# Altium PCB pi4.PcbDoc (part 1 of 4) (continued)
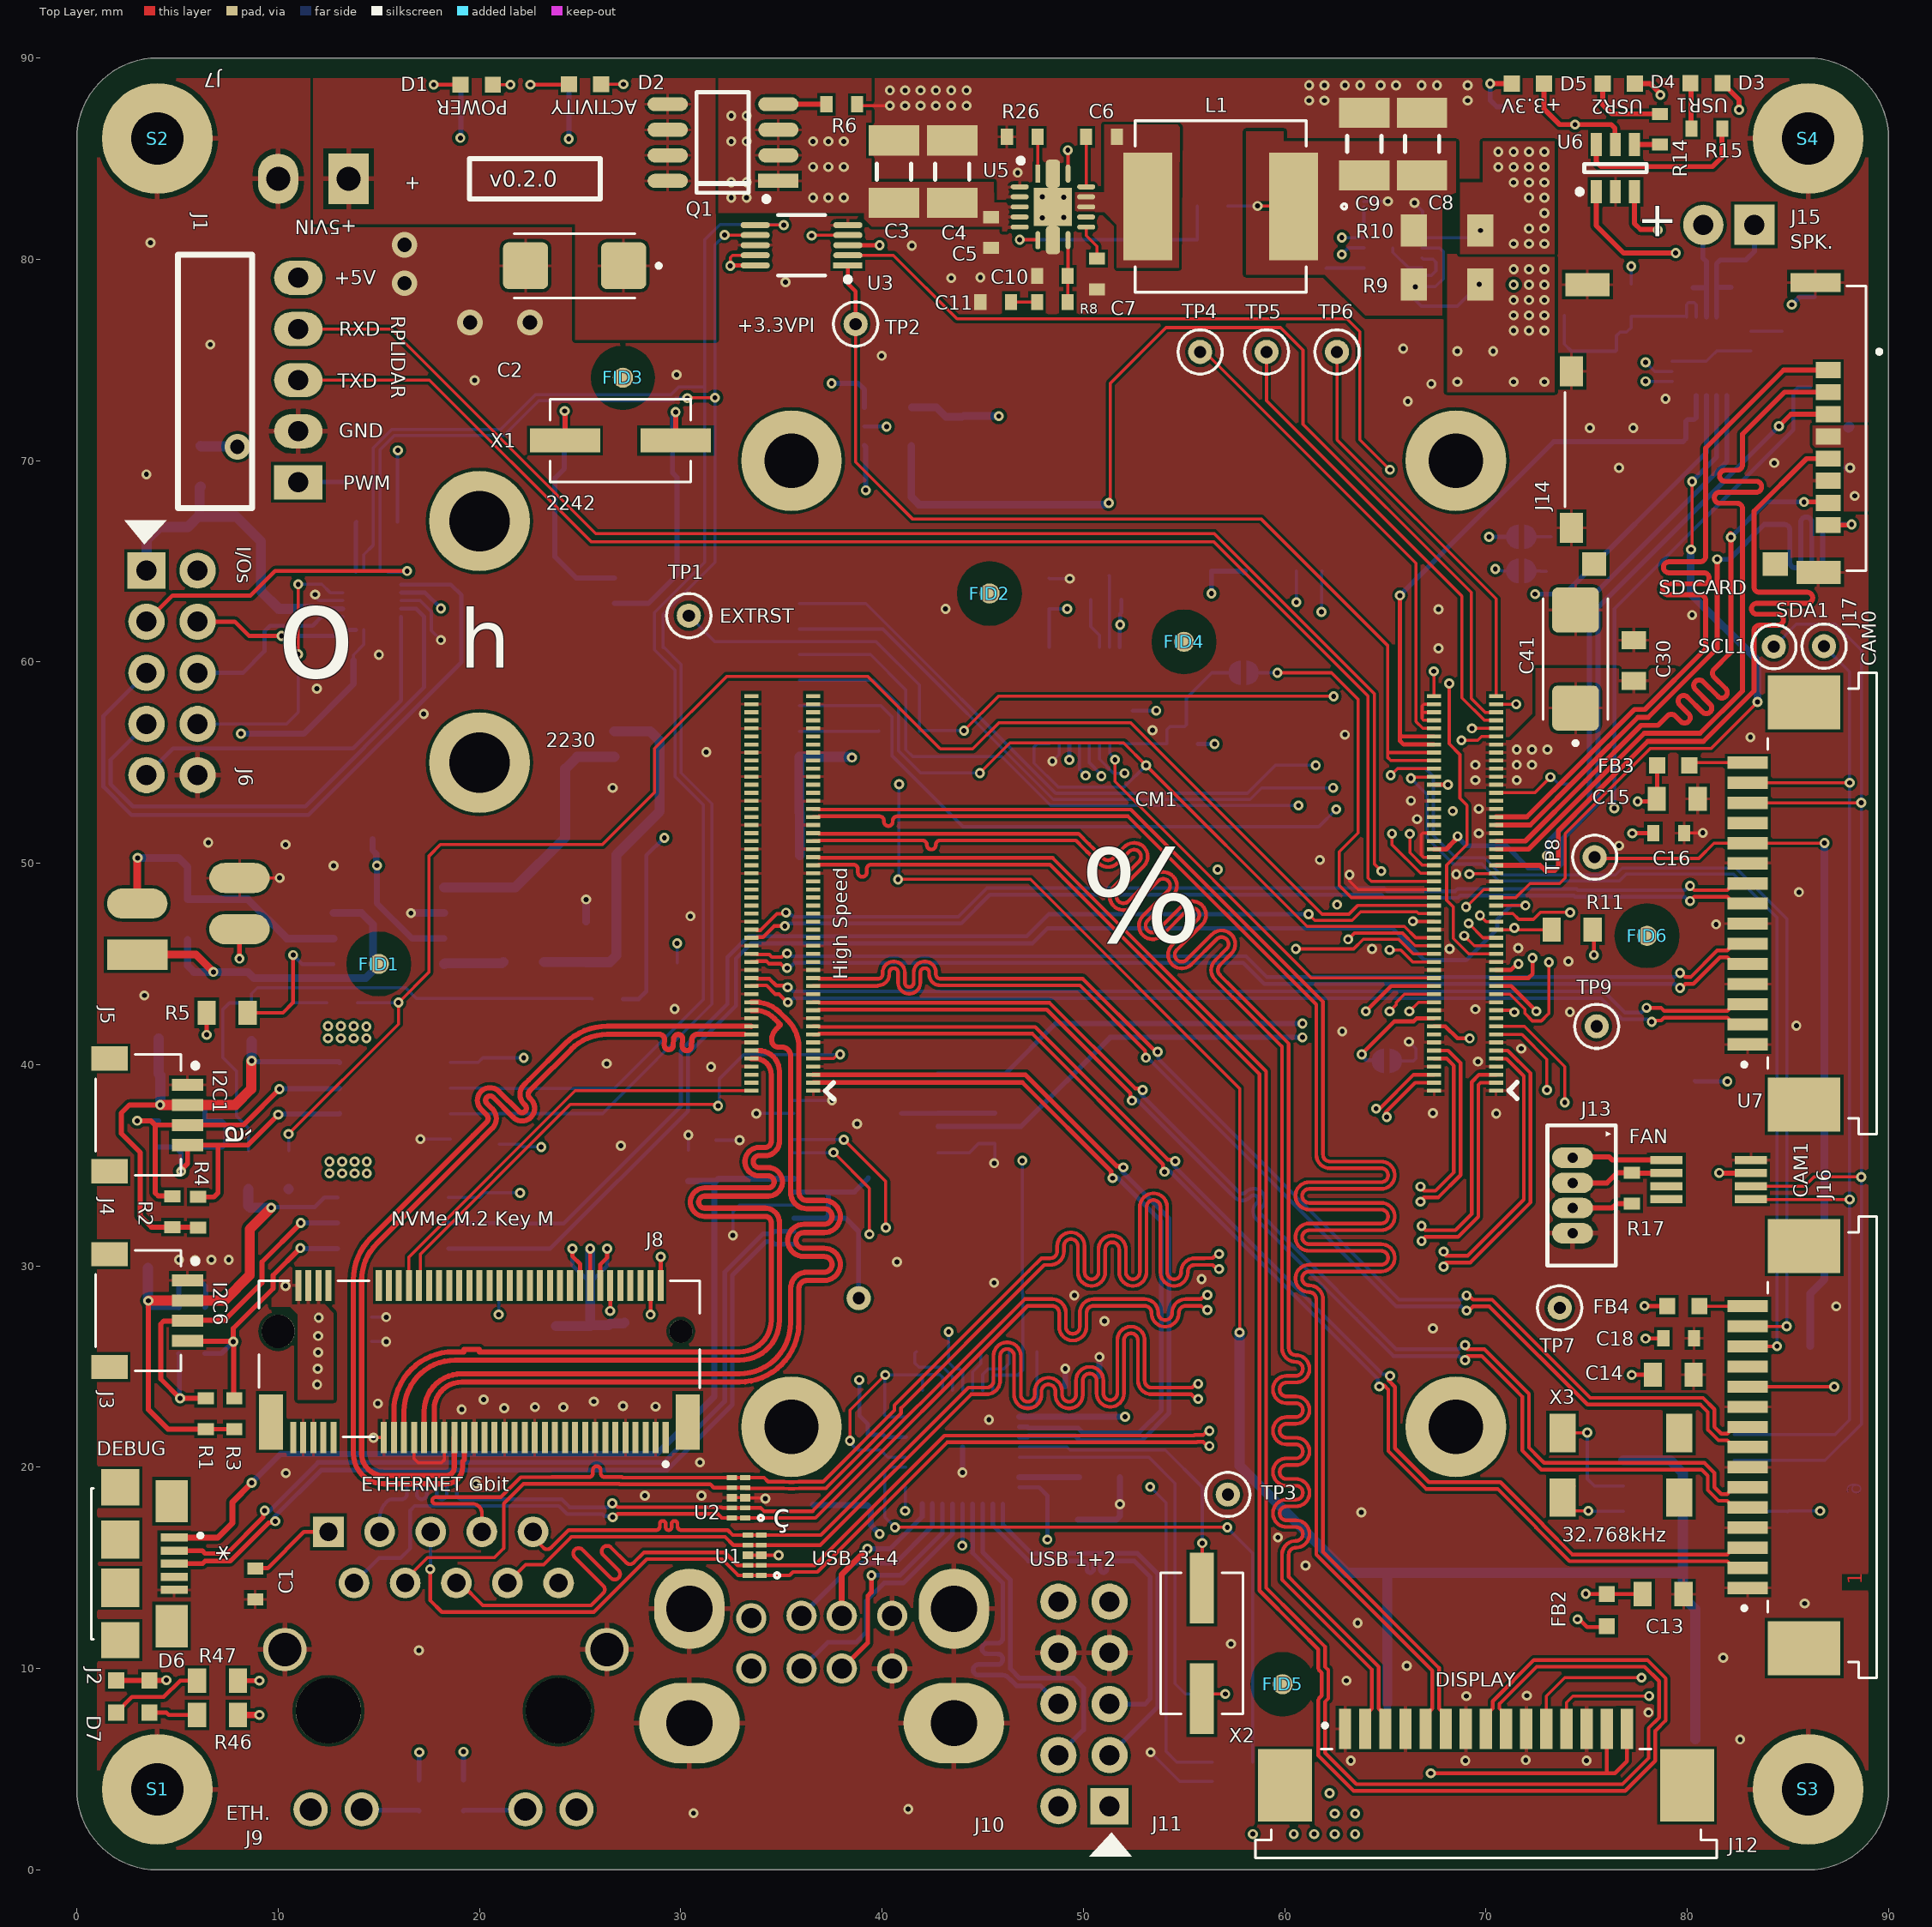
[diagram p0: Top Layer view]
## Design rules (kind name [scope] priority, off if disabled: settings) (continued)
PolygonConnect "Schematic Polygon Connect Style" [InNet('VDD-SDCARD')] p6: connectstyle=Direct reliefconductorwidth=0.254 reliefentries=4 polygonreliefangle="45 Angle" airgapwidth=0.254
PolygonConnect Battery [HasFootprint('BAT_BK-916-TR')] p7: connectstyle=Direct reliefconductorwidth=0.254 reliefentries=4 polygonreliefangle="90 Angle" airgapwidth=0.254
PolygonConnect "Schematic Polygon Connect Style_12" [InComponent('R9')] p8: connectstyle=Direct reliefconductorwidth=0.254 reliefentries=4 polygonreliefangle="45 Angle" airgapwidth=0.254
PolygonConnect "Schematic Polygon Connect Style_11" [InComponent('R10')] p9: connectstyle=Direct reliefconductorwidth=0.254 reliefentries=4 polygonreliefangle="45 Angle" airgapwidth=0.254
PolygonConnect "Schematic Polygon Connect Style_7" [InComponent('C9')] p10: connectstyle=Direct reliefconductorwidth=0.254 reliefentries=4 polygonreliefangle="45 Angle" airgapwidth=0.254
PolygonConnect "Schematic Polygon Connect Style_6" [InComponent('C8')] p11: connectstyle=Direct reliefconductorwidth=0.254 reliefentries=4 polygonreliefangle="45 Angle" airgapwidth=0.254
PolygonConnect "Schematic Polygon Connect Style_4" [InComponent('C4')] p12: connectstyle=Direct reliefconductorwidth=0.254 reliefentries=4 polygonreliefangle="45 Angle" airgapwidth=0.254
PolygonConnect "Schematic Polygon Connect Style_3" [InComponent('C5')] p13: connectstyle=Direct reliefconductorwidth=0.254 reliefentries=4 polygonreliefangle="45 Angle" airgapwidth=0.254
PolygonConnect "Schematic Polygon Connect Style_1" [InComponent('C3')] p14: connectstyle=Direct reliefconductorwidth=0.254 reliefentries=4 polygonreliefangle="45 Angle" airgapwidth=0.254
PolygonConnect [All] p15: thpad.connectstyle=Relief thpad.reliefconductorwidth=0.254 thpad.reliefentries=4 thpad.polygonreliefangle="90 Angle" thpad.airgapwidth=0.254 smdpad.connectstyle=Relief smdpad.reliefconductorwidth=0.15 smdpad.reliefentries=4 smdpad.polygonreliefangle="90 Angle" smdpad.airgapwidth=0.15 via.connectstyle=Direct via.reliefconductorwidth=0.254 via.reliefentries=4 via.polygonreliefangle="90 Angle" via.airgapwidth=0.254
RoutingPriority "Schematic Routing Priority_2" [InNetClass('PCIe')] p1: routingpriority=10
RoutingPriority "Schematic Routing Priority_1" [InNetClass('MIPI')] p2: routingpriority=5
RoutingPriority "Schematic Routing Priority" [InNetClass('SD')] p3: routingpriority=3
RoutingPriority [All] p4: routingpriority=0
RoutingVias [All] p1: holewidth=0.25 width=0.5 viastyle="Through Hole" minholewidth=0.25 minwidth=0.5 maxholewidth=0.6 maxwidth=1.3
SilkToSilkClearance [All] p1: silktosilkclearance=0.15
SilkToSolderMaskClearance [IsPad] p1: minsilkscreentomaskgap=0.1 clearancetoexposedcopper=TRUE
SolderMaskExpansion [All] p1: expansion=0.05 istentingtop=FALSE
Width Width_SD [InNetClass('SD')] p1: maxlimit=0.246 minlimit=0.193 preferedwidth=0.246 toplayer_minwidth=0.246 midlayer1_maxwidth=0.193 midlayer1_prefwidth=0.193 midlayer2_maxwidth=0.193 midlayer2_prefwidth=0.193 bottomlayer_minwidth=0.246 impedanceprofiledriven=TRUE impedanceprofileid={2DAE62BF-6141-49AD-A0D7-C43808849D92} impedanceprofilevalue=50.000000 minimp=50.000000 maximp=50.000000 favimp=50.000000
Width [All] p2: maxlimit=0.508 minlimit=0.15 preferedwidth=0.25
21 further rules are at their usual default settings.

## Classes and differential pairs
differential pair class ETHERNET: ETH_D0 ETH_D1 ETH_D2 ETH_D3
differential pair class USB: USBDN1 USBDN2 USBDN3 USBDN4
differential pair class PCIe: PCIe_CLK PCIe_RX PCIe_TX
differential pair class MIPI: CAM0-CK0 CAM0-D0 CAM0-D1 CAM1-CK0 CAM1-D0 CAM1-D1 MIPI_CK MIPI_D0 MIPI_D1
component class gpio: B1 BAT1 C19 C40 C53 C54 C70 C71 CM1 D3 D4 D6 D7 J1 J2 J6 R14 R15 R38 R46 R47 R48 R49 SCL1 SDA1 TP10 U4 U6 U8 U15 U24 X3
component class pcie-hdmi-sdcard: C17 C27 C28 C31 C37 C56 C57 C59 C60 C62 C63 FB1 J8 J14 R19 R22 R23 R25 RT1 SB1 SB2 SB4 U13
component class cm4-power: C30 C41 D1 D2 R30 R31 R34 R35 SB3 TP2 TP4 TP5 TP6 TP7 U16
component class audio: C20 C21 C23 C24 C25 C26 FB5 J15 SP1 U9
net class SD_DAT[3..0]: SD_DAT0 SD_DAT1 SD_DAT2 SD_DAT3
net class ETH: ETH_D0_N ETH_D0_P ETH_D1_N ETH_D1_P ETH_D2_N ETH_D2_P ETH_D3_N ETH_D3_P
net class SD: SD_CLK SD_CMD SD_DAT0 SD_DAT1 SD_DAT2 SD_DAT3
net class PCIe: PCIe_CLK_N PCIe_CLK_P PCIe_RX_N PCIe_RX_P PCIe_TX_N PCIe_TX_P
net class MIPI: CAM0-CK0_N CAM0-CK0_P CAM0-D0_N CAM0-D0_P CAM0-D1_N CAM0-D1_P CAM1-CK0_N CAM1-CK0_P CAM1-D0_N CAM1-D0_P CAM1-D1_N CAM1-D1_P MIPI_CK_N MIPI_CK_P MIPI_D0_N MIPI_D0_P MIPI_D1_N MIPI_D1_P
component class usb: C32 C33 C34 C35 C36 C39 C42 C43 C44 C45 C46 C47 C48 C49 C52 J10 J11 R24 R27 R28 R29 R33 TP1 TP3 U12 U14 X2
component class power: C2 C3 C4 C5 C6 C7 C8 C9 C10 C11 C22 C29 D5 FID1 FID2 FID3 FID4 FID5 FID6 J7 J13 L1 Q1 R6 R7 R8 R9 R10 R16 R17 R20 R26 R50 S1 S2 S3 S4 U3 U5 U7 U10
component class i2c-can-lin: B1 C50 C51 C55 C58 C61 C64 C65 C66 C67 C68 C69 J3 J4 J5 R1 R2 R3 R4 R5 R11 R12 R18 R21 R32 R36 R37 R39 R40 R41 R42 R45 U11 U17 U18 U19 U20 U21 U22 U23 X1
component class csi-camera-ethernet: C1 C13 C14 C15 C16 C18 FB2 FB3 FB4 J9 J12 J16 J17 R13 R43 R44 TP8 TP9 U1 U2
differential pair ETH_D3: +ETH_D3_P -ETH_D3_N
differential pair ETH_D2: +ETH_D2_P -ETH_D2_N
differential pair ETH_D1: +ETH_D1_P -ETH_D1_N
differential pair ETH_D0: +ETH_D0_P -ETH_D0_N
differential pair PCIe_TX: +PCIe_TX_P -PCIe_TX_N
differential pair PCIe_RX: +PCIe_RX_P -PCIe_RX_N
differential pair PCIe_CLK: +PCIe_CLK_P -PCIe_CLK_N
differential pair CAM0-D1: +CAM0-D1_P -CAM0-D1_N
differential pair CAM0-D0: +CAM0-D0_P -CAM0-D0_N
differential pair CAM0-CK0: +CAM0-CK0_P -CAM0-CK0_N
differential pair USB: +USB_P -USB_N
differential pair USBD: +USBD_P -USBD_N
differential pair USBDN4: +USBDN4_P -USBDN4_N
differential pair USBDN3: +USBDN3_P -USBDN3_N
differential pair USBDN2: +USBDN2_P -USBDN2_N
differential pair USBDN1: +USBDN1_P -USBDN1_N
differential pair MIPI_D1: +MIPI_D1_P -MIPI_D1_N
differential pair MIPI_D0: +MIPI_D0_P -MIPI_D0_N
differential pair MIPI_CK: +MIPI_CK_P -MIPI_CK_N
differential pair CAN: +CAN_P -CAN_N
differential pair CAM1-D1: +CAM1-D1_P -CAM1-D1_N
differential pair CAM1-D0: +CAM1-D0_P -CAM1-D0_N
differential pair CAM1-CK0: +CAM1-CK0_P -CAM1-CK0_N

## Components (designator, comment, footprint, x,y, rotation, side; value= is the part's Value field where it differs from the comment)
BAT1 "3080TR" BAT_BK-916-TR 72.746,6.426 r180 bottom
C1 "100n" SM/C0603 8.865,14.173 r270 top
C2 "220u" CAPPM6032X280N 24.724,79.68 r180 top
C3 "22uF" SM/C1210 40.589,84.353 r90 top
C4 "22uF" SM/C1210 43.485,84.353 r90 top
C5 "100n" SM/C0603 45.415,81.305 r270 top
C6 "100n" SM/C0603 50.927,86.081 r0 top
C7 "10n" SM/C0603 50.673,79.299 r90 top
C8 "22uF" SM/C1210 66.827,85.725 r90 top
C9 "22uF" SM/C1210 63.957,85.725 r90 top
C10 "180p" SM/C0603 48.438,79.172 r180 top
C11 "8.2n" SM/C0603 45.618,77.876 r180 top
C13 "10u" SM/C0805 78.8,13.7 r0 top
C14 "10u" SM/C0805 79.3,24.6 r0 top
C15 "10u" SM/C0805 79.5,53.2 r0 top
C16 "100n" SM/C0603 79.1,51.5 r0 top
C17 "10u" SM/C0805 86.995,69.647 r180 bottom
C18 "100n" SM/C0603 79.6,26.4 r0 top
C19 "100n" SM/C0603 84.976,18.571 r90 bottom
C20 "100n" SM/C0603 85.496,76.429 r0 bottom
C21 "220p" SM/C0603 82.956,78.613 r0 bottom
C22 "100n" SM/C0603 79.578,39.192 r180 bottom
C23 "220p" SM/C0603 79.502,78.588 r180 bottom
C24 "100n" SM/C0603 79.146,71.958 r180 bottom
C25 "10u" SM/C0805 76.454,74.422 r270 bottom
C26 "100n" SM/C0603 74.676,77.216 r0 bottom
C27 "10u" SM/C0805 87.935,80.823 r90 bottom
C28 "100n" SM/C0603 86.411,80.594 r90 bottom
C29 "100n" SM/C0603 63.144,82.855 r180 bottom
C30 "10u" SM/C0805 77.343,60.071 r90 top
C31 "100n" SM/C0603 55.905,57.582 r0 bottom
C32 "27p" SM/C0603 55.931,9.525 r90 bottom
C33 "27p" SM/C0603 55.905,13.132 r270 bottom
C34 "10u" SM/C0805 50.8,23.516 r90 bottom
C35 "100n" SM/C0603 49,17.4 r0 bottom
C36 "100n" SM/C0603 49.124,23.368 r90 bottom
C37 "100n" SM/C0603 48.285,63.424 r90 bottom
C39 "100u" SM/C1210 44.526,3.329 r180 bottom
C40 "100n" SM/C0603 45.6,36.813 r270 bottom
C41 "220u" CAPPM6032X280N 74.447,60.147 r90 top
C42 "10u" SM/C0805 43.3,26.9 r90 bottom
C43 "100n" SM/C0603 39.294,20.828 r270 bottom
C44 "10u" SM/C0805 39.1,6.3 r270 bottom
C45 "10u" SM/C0805 38.875,24.432 r90 bottom
C46 "100n" SM/C0603 38.532,17.323 r270 bottom
C47 "10u" SM/C0805 37.5,6.3 r270 bottom
C48 "10u" SM/C0805 36.576,17.12 r270 bottom
C49 "10u" SM/C0805 35.9,6.3 r270 bottom
C50 "10u" SM/C0805 34.9,52.5 r180 bottom
C51 "100n" SM/C0603 34.9,50.4 r180 bottom
C52 "10u" SM/C0805 34.3,6.3 r270 bottom
C53 "10u" SM/C0805 31.75,35.23 r90 bottom
C54 "100n" SM/C0603 30.378,35.001 r90 bottom
C55 "22p" SM/C0603 28.8,71 r180 bottom
C56 "100n" SM/C0603 27.2,26.4 r270 bottom
C57 "10u" SM/C0805 25.5,26 r270 bottom
C58 "22p" SM/C0603 25,71 r0 bottom
C59 "10u" SM/C0805 23.8,26 r270 bottom
C60 "10u" SM/C0805 14.275,24.587 r0 bottom
C61 "100n" SM/C0603 13.9,51.2 r180 bottom
C62 "100n" SM/C0603 13.894,26.238 r0 bottom
C63 "100n" SM/C0603 13.894,27.457 r0 bottom
C64 "1u" SM/C0603 16.408,41.605 r0 bottom
C65 "100n" SM/C0603 2.743,29.896 r180 bottom
C66 "10u" SM/C0805 2.515,28.27 r180 bottom
C67 "1u" SM/C0603 16.281,34.874 r0 bottom
C68 "100n" SM/C0603 3.277,41.3 r180 bottom
C69 "10u" SM/C0805 3.048,39.548 r180 bottom
C70 "100n" SM/C0603 56.363,65.303 r90 bottom
C71 "100n" SM/C0603 12.954,59.792 r180 bottom
CM1 "Raspberry Pi Compute Module 4" CM4-RASPBERRY-PI4 52,46 r0 top
D1 "POWER" SM/LED0603 19.863,88.671 r0 top
D2 "ACTIVITY" SM/LED0603 25.248,88.697 r0 top
D3 "USER1" SM/LED0603 80.95,88.75 r180 top
D4 "USER2" SM/LED0603 76.594,88.722 r180 top
D5 "POWER" SM/LED0603 72.085,88.722 r180 top
D6 "TX" SM/LED0603 3.607,8.611 r270 top
D7 "RX" SM/LED0603 1.956,8.611 r270 top
FB1 "MI0603L301R-10" SM/L0603 87.097,78.13 r0 bottom
FB2 "MI0603L301R-10" SM/L0603 76,12.9 r270 top
FB3 "MI0603L301R-10" SM/L0603 79.299,54.864 r0 top
FB4 "MI0603L301R-10" SM/L0603 79.8,28 r0 top
FB5 "MI0603L301R-10" SM/L0603 77.216,77.978 r270 bottom
FID1 "Fiducial 1.5 mm" FIDUCIAL 15,45 r90 top
FID2 "Fiducial 1.5 mm" FIDUCIAL 45.339,63.398 r0 top
FID3 "Fiducial 1.5 mm" FIDUCIAL 27.127,74.117 r90 top
FID4 "Fiducial 1.5 mm" FIDUCIAL 55,61 r90 top
FID5 "Fiducial 1.5 mm" FIDUCIAL 59.893,9.22 r90 top
FID6 "Fiducial 1.5 mm" FIDUCIAL 78,46.4 r90 top
J1 "RPLIDAR" CONN/HEADER/2.54mm/5POS/MOLEX/22122054 11,68.92 r270 top
J2 "MINI-USB" AMPHENOL_10118192-0002LF 4.834,15.208 r270 top
J3 "QWIIC I2C" QWIIC-SM04B-SRSS-TB 5.5,27.782 r270 top
J4 "QWIIC I2C" QWIIC-SM04B-SRSS-TB 5.5,37.5 r270 top
J5 "CAN" TE/MICROMATCH/7-2178711-4 5.54,51.81 r90 top
J6 "I/Os" HE/2.54/10 3.46,64.54 r270 top
J7 "1844210" "CONN2/PHOENIX/MC 1.5-2-G-3.5" 13.5,84 r180 top
J8 "M2" TE_1-2199230-5 20,26.75 r180 top locked
J9 "HR911130A" CONN/ETHERNET/HR911130A 12.5,16.792 r180 top
J10 "5787617-4" TE/5787617-4 43.57,7.29 r0 top
J11 "CONN 10 (2x5)" HE/2.54/10 51.3,3.16 r90 top
J12 "FPC 1mm 1-84952-5" CONN15/FPC/TE/1-84952-5 70,7 r0 top
J13 "FAN" CONN4/MOLEX/1.25mm/53047-0410 74.3,33.5 r90 top
J14 "SDCARD-MOLEX-503182-1852" SDCARD-MOLEX_503182-1852 80.645,71.6 r270 top
J15 "SPEAKER" CONN/HEADER/2.54mm/2POS 83.337,81.712 r0 top
J16 "FPC 1mm 1-84952-5" CONN15/FPC/TE/1-84952-5 83,21 r90 top
J17 "FPC 1mm 1-84952-5" CONN15/FPC/TE/1-84952-5 83,48 r90 top
L1 "3.7u" IND_IHLP-3232DZ_VIS 56.82,82.626 r180 top value=2.2uH
Q1 "FDS6675" SOIC8 32.1,85.8 r0 top
R1 "10k" SM/R0603 6.401,22.657 r90 top
R2 "10k" SM/R0603 4.75,32.69 r90 top
R3 "10k" SM/R0603 7.823,22.657 r90 top
R4 "10k" SM/R0603 6.02,32.664 r90 top
R5 "DNP" SM/R0805 7.468,42.57 r0 top
R6 "10k" SM/R0603 38,87.7 r180 top
R7 "73.2k" SM/R0603 56.413,82.652 r180 bottom
R8 "2.4k" SM/R0603 48.463,77.876 r0 top
R9 "0.01" SM/R1206 68.072,78.74 r0 top
R10 "0.01" SM/R1206 68.072,81.432 r0 top
R11 "6.8k" SM/R0805 74.284,46.7 r0 top
R12 "10k" SM/R0603 29.058,45.06 r180 bottom
R13 "0" SM/R0805 86.1,25 r90 bottom
R14 "470" SM/R0603 78.638,86.462 r90 top
R15 "470" SM/R0603 80.975,86.487 r180 top
R16 "120" SM/R0603 72.06,87.579 r0 bottom
R17 "4.7k" SM/R0603 77.241,33.858 r270 top
R18 "0" SM/R0603 26.365,43.256 r0 bottom
R19 "10k" SM/R0603 74.3,54.7 r90 bottom
R20 "5k6" SM/R0603 61.29,79.553 r0 bottom
R21 "0" SM/R0603 13.183,43.078 r180 bottom
R22 "4.7k" SM/R0603 54.915,55.931 r180 bottom
R23 "4.7k" SM/R0603 52.045,64.287 r0 bottom
R24 "10k" SM/R0805 50.8,19.5 r180 bottom
R25 "4.7k" SM/R0603 51.13,63.094 r180 bottom
R26 "100k" SM/R0603 46.965,86.081 r180 top
R27 "36k" SM/R0603 47.7,26.5 r270 bottom
R28 "36k" SM/R0603 46.3,26.5 r270 bottom
R29 "36k" SM/R0603 44.9,26.5 r270 bottom
R30 "10k" SM/R0603 44,71.384 r270 bottom
R31 "10k" SM/R0603 42.215,69.139 r0 bottom
R32 "0" SM/R0805 40.843,56.566 r0 bottom net-tie
R33 "36k" SM/R0603 41.7,26.5 r270 bottom
R34 "180" SM/R0603 19.863,88.671 r0 bottom net-tie
R35 "180" SM/R0603 25.222,88.697 r0 bottom net-tie
R36 "2.2k" SM/R0805 25.3,46.1 r270 bottom
R37 "1k" SM/R0805 22.2,45.1 r180 bottom
R38 "6.8k" SM/R0805 14.91,68.936 r0 bottom
R39 "1.8k" SM/R0603 20.98,36.805 r90 bottom
R40 "1.8k" SM/R0603 20.955,39.573 r270 bottom
R41 "1.8k" SM/R0603 20.955,32.868 r270 bottom
R42 "1.8k" SM/R0603 20.955,30.099 r90 bottom
R43 "470" SM/R0603 19.2,3.7 r270 bottom
R44 "470" SM/R0603 17,3.7 r270 bottom
R45 "120" SM/R0805 5.5,47.2 r270 bottom
R46 "470" SM/R0805 6.985,7.696 r180 top
R47 "470" SM/R0805 6.985,9.398 r180 top
R48 "0" SM/R0805 6.147,69.723 r90 bottom
R49 "1k" SM/R0805 14.91,66.954 r180 bottom
R50 "10k" SM/R0603 55.651,80.213 r270 bottom
RT1 "RT9742" SOT23-5 87.046,72.644 r90 bottom
S1 "M2.5" HW/HOLE/M2.5 4,4 r0 top
S2 "M2.5" HW/HOLE/M2.5 4,86 r0 top
S3 "M2.5" HW/HOLE/M2.5 86,4 r0 top
S4 "M2.5" HW/HOLE/M2.5 86,86 r0 top
SB1 "DISABLE WIFI" JUMPER/SB 71.755,64.516 r0 bottom net-tie
SB2 "DISABLE BL" JUMPER/SB 71.755,66.218 r0 bottom net-tie
SB3 "EEPROM_WP" JUMPER/SB 65.075,40.183 r0 bottom net-tie
SB4 "TPM_RESET" JUMPER/SB 57.963,59.461 r180 bottom net-tie
SCL1 "TP" TP/SMALL 84.303,60.757 r180 top
SDA1 "TP" TP/SMALL 86.792,60.782 r180 top
TP1 "USB-nEXTRST" TP/SMALL 30.4,62.3 r0 top
TP2 "+3.3VPI" TP/SMALL 38.684,76.784 r0 top
TP3 "USB-nEXTRST" TP/SMALL 57.175,18.644 r0 top
TP4 "RUN_PG" TP/SMALL 55.8,75.4 r0 top
TP5 "nRPIBOOT" TP/SMALL 59.1,75.4 r0 top
TP6 "GLOBAL_EN" TP/SMALL 62.6,75.4 r0 top
TP7 "+1.8VPI" TP/SMALL 73.66,27.915 r0 top
TP8 "TP" TP/SMALL 75.4,50.3 r0 top
TP9 "SYNC_OUT" TP/SMALL 75.5,41.9 r0 top
TP10 "TP" TP/SMALL 38.837,28.397 r180 bottom
U1 "DT1140-04LP-DN" SOT1165-1 33.67,15.628 r180 top
U2 "DT1140-04LP-UP" SOT1165-1 32.868,18.483 r180 top
U3 "LTC2990" MSOP10 36,80.7 r180 top
U4 "24CW128" SOIC8 59.944,67.259 r90 bottom
U5 "RT7299BHGQW" RT7299B 48.489,82.601 r0 top
U6 "SN74LVC2GU04DBVR" SOT23-6 76.429,84.531 r90 top
U7 "EMC2301-1" MSOP8 83.16,33.31 r90 top
U8 "DS1307" SOIC8 79.572,19.71 r180 bottom
U9 "TFA9879HN/N1,157" QFN50P260X260X100-25N 81.204,75.184 r0 bottom
U10 "PAC1720" DFN10_3x3MC_MCH-M 65.38,80.569 r180 bottom
U11 "LTC4311" SC70-6 5.715,26.797 r270 bottom
U12 "AP22814AW5-7" SOT23-5 57.4,4.4 r0 bottom
U13 "SLB9670" QFN50P500X500X90-33N-V 50.051,58.332 r270 bottom
U14 "USB2514" QFN36_6X6_MCH 44,21 r90 bottom
U15 "FT232" SSOP28 39.2,35.3 r180 bottom
U16 "SN74AUC2G07DBVT" SOT23-6 40.3,71.7 r180 bottom
U17 "MCP2515" SOIC18/MCP2515 31.3,61 r0 bottom
U18 "SI8602AB-B-IS" SOIC8 15.697,38.2 r0 bottom
U19 "SI8602AB-B-IS" SOIC8 15.697,31.5 r0 bottom
U20 "MCP2561" SOIC8 15.697,46.9 r0 bottom
U21 "AP22814AW5-7" SOT23-5 9.677,42.113 r0 bottom
U22 "AP22814AW5-7" SOT23-5 9.525,34.773 r0 bottom
U23 "LTC4311" SC70-6 5.207,36.551 r180 bottom
U24 "SX1502I087TRT" QFN40P300X300X50_HS-21N 14.656,63.043 r270 bottom
X1 "16 MHz" XTAL-ECS-160-20-3X-TR 27,71 r0 top
X2 "24 MHz" XTAL-ECS-160-20-3X-TR 55.88,11.252 r270 top
X3 "32'768 kHz" CRYSTAL/SMD/ABS25 73.8,18.5 r0 top

## Footprints (in the part's own frame and the unit in brackets; to place one, negate y for a bottom-side part, rotate by r counter-clockwise, add the part's x,y. Pads: shape width x height; smd on the part's side, far side on the other; paste and mask are expansions set on the pad)
AMPHENOL_10118192-0002LF [mm]
  rect 0.4x1.35 smd: 1(-1.3,0) 2(-0.65,0) 3(0,0) 4(0.65,0) 5(1.3,0)
  rect 2.1x1.6 smd: S1(-3.1,-0.125) S2(3.1,-0.125)
  rect 1.8x1.9 smd: S3(-3.8,-2.675) S6(3.8,-2.675)
  rect 1.9x1.9 smd: S4(-1.2,-2.675) S5(1.2,-2.675)
  silkscreen extent -3.75,-4.12 3.75,1.4, body extent -3.96,-4.85 3.96,0.25, height 2.73
BAT_BK-916-TR [mm]
  rect 2.5x5.1 smd: 1(-7.65,0.05) 1(7.65,0.05)
  round 10.2 smd mask+0.508: 2(0,0)
  silkscreen extent -6.75,-4.9 6.75,4.6, body extent -7.8,-5.94 7.8,6.46, height 3.7
CAPPM6032X280N [mm]
  rrect25% 2.24x2.32 smd: 1(-2.435,0) 2(2.435,0)
  silkscreen extent -4.28,-1.6 3,1.6, body extent -3.05,-1.67 3.05,1.68, height 2.7
CM4-RASPBERRY-PI4 [mm] "DF40C-100DS-0.4v by Amornthep Phunsin"
  round 5 hole 2.7: 0(-16.5,-24) 0(-16.5,24) 0(16.5,-24) 0(16.5,24)
  rect 0.7x0.2 smd: 1(18.5,-7.3) 2(15.42,-7.3) 3(18.5,-6.9) 4(15.42,-6.9) 5(18.5,-6.5) 6(15.42,-6.5) 7(18.5,-6.1) 8(15.42,-6.1) 9(18.5,-5.7) 10(15.42,-5.7) 11(18.5,-5.3) 12(15.42,-5.3) 13(18.5,-4.9) 14(15.42,-4.9) 15(18.5,-4.5) 16(15.42,-4.5) 17(18.5,-4.1) 18(15.42,-4.1) 19(18.5,-3.7) 20(15.42,-3.7) 21(18.5,-3.3) 22(15.42,-3.3) 23(18.5,-2.9) 24(15.42,-2.9) 25(18.5,-2.5) 26(15.42,-2.5) 27(18.5,-2.1) 28(15.42,-2.1) 29(18.5,-1.7) 30(15.42,-1.7) 31(18.5,-1.3) 32(15.42,-1.3) 33(18.5,-0.9) 34(15.42,-0.9) 35(18.5,-0.5) 36(15.42,-0.5) 37(18.5,-0.1) 38(15.42,-0.1) 39(18.5,0.3) 40(15.42,0.3) 41(18.5,0.7) 42(15.42,0.7) 43(18.5,1.1) 44(15.42,1.1) 45(18.5,1.5) 46(15.42,1.5) 47(18.5,1.9) 48(15.42,1.9) 49(18.5,2.3) 50(15.42,2.3) 51(18.5,2.7) 52(15.42,2.7) 53(18.5,3.1) 54(15.42,3.1) 55(18.5,3.5) 56(15.42,3.5) 57(18.5,3.9) 58(15.42,3.9) 59(18.5,4.3) 60(15.42,4.3) 61(18.5,4.7) 62(15.42,4.7) 63(18.5,5.1) 64(15.42,5.1) 65(18.5,5.5) 66(15.42,5.5) 67(18.5,5.9) 68(15.42,5.9) 69(18.5,6.3) 70(15.42,6.3) 71(18.5,6.7) 72(15.42,6.7) 73(18.5,7.1) 74(15.42,7.1) 75(18.5,7.5) 76(15.42,7.5) 77(18.5,7.9) 78(15.42,7.9) 79(18.5,8.3) 80(15.42,8.3) 81(18.5,8.7) 82(15.42,8.7) 83(18.5,9.1) 84(15.42,9.1) 85(18.5,9.5) 86(15.42,9.5) 87(18.5,9.9) 88(15.42,9.9) 89(18.5,10.3) 90(15.42,10.3) 91(18.5,10.7) 92(15.42,10.7) 93(18.5,11.1) 94(15.42,11.1) 95(18.5,11.5) 96(15.42,11.5) 97(18.5,11.9) 98(15.42,11.9) 99(18.5,12.3) 100(15.42,12.3) 101(-15.42,-7.3) 102(-18.5,-7.3) 103(-15.42,-6.9) 104(-18.5,-6.9) 105(-15.42,-6.5) 106(-18.5,-6.5) 107(-15.42,-6.1) 108(-18.5,-6.1) 109(-15.42,-5.7) 110(-18.5,-5.7) 111(-15.42,-5.3) 112(-18.5,-5.3) 113(-15.42,-4.9) 114(-18.5,-4.9) 115(-15.42,-4.5) 116(-18.5,-4.5) 117(-15.42,-4.1) 118(-18.5,-4.1) 119(-15.42,-3.7) 120(-18.5,-3.7) 121(-15.42,-3.3) 122(-18.5,-3.3) 123(-15.42,-2.9) 124(-18.5,-2.9) 125(-15.42,-2.5) 126(-18.5,-2.5) 127(-15.42,-2.1) 128(-18.5,-2.1) 129(-15.42,-1.7) 130(-18.5,-1.7) 131(-15.42,-1.3) 132(-18.5,-1.3) 133(-15.42,-0.9) 134(-18.5,-0.9) 135(-15.42,-0.5) 136(-18.5,-0.5) 137(-15.42,-0.1) 138(-18.5,-0.1) 139(-15.42,0.3) 140(-18.5,0.3) 141(-15.42,0.7) 142(-18.5,0.7) 143(-15.42,1.1) 144(-18.5,1.1) 145(-15.42,1.5) 146(-18.5,1.5) 147(-15.42,1.9) 148(-18.5,1.9) 149(-15.42,2.3) 150(-18.5,2.3) 151(-15.42,2.7) 152(-18.5,2.7) 153(-15.42,3.1) 154(-18.5,3.1) 155(-15.42,3.5) 156(-18.5,3.5) 157(-15.42,3.9) 158(-18.5,3.9) 159(-15.42,4.3) 160(-18.5,4.3) 161(-15.42,4.7) 162(-18.5,4.7) 163(-15.42,5.1) 164(-18.5,5.1) 165(-15.42,5.5) 166(-18.5,5.5) 167(-15.42,5.9) 168(-18.5,5.9) 169(-15.42,6.3) 170(-18.5,6.3) 171(-15.42,6.7) 172(-18.5,6.7) 173(-15.42,7.1) 174(-18.5,7.1) 175(-15.42,7.5) 176(-18.5,7.5) 177(-15.42,7.9) 178(-18.5,7.9) 179(-15.42,8.3) 180(-18.5,8.3) 181(-15.42,8.7) 182(-18.5,8.7) 183(-15.42,9.1) 184(-18.5,9.1) 185(-15.42,9.5) 186(-18.5,9.5) 187(-15.42,9.9) 188(-18.5,9.9) 189(-15.42,10.3) 190(-18.5,10.3) 191(-15.42,10.7) 192(-18.5,10.7) 193(-15.42,11.1) 194(-18.5,11.1) 195(-15.42,11.5) 196(-18.5,11.5) 197(-15.42,11.9) 198(-18.5,11.9) 199(-15.42,12.3) 200(-18.5,12.3)
  silkscreen extent -14.82,-7.7 19.54,-6.89, body extent -20,-27.5 20,27.5, height 5.15
"CONN2/PHOENIX/MC 1.5-2-G-3.5" [mm]
  rect 2x2.5 hole 1.2: 1(0,0)
  oval 2x2.5 hole 1.2: 2(3.5,0)
  body extent -2.41,-8.03 5.99,1.17, height 7.25
CONN4/MOLEX/1.25mm/53047-0410 [mil]
  oval 40x80 hole 20: 1(73.82,0) 2(24.61,0) 3(-24.61,0) 4(-73.82,0)
  silkscreen extent -137,-85 137,49, body extent -133,-80 133,46, height 166
CONN15/FPC/TE/1-84952-5 [mm]
  rect 0.61x2 smd: 1(-7,0) 2(-6,0) 3(-5,0) 4(-4,0) 5(-3,0) 6(-2,0) 7(-1,0) 8(0,0) 9(1,0) 10(2,0) 11(3,0) 12(4,0) 13(5,0) 14(6,0) 15(7,0)
  rect 2.68x3.6 smd: S1(-9.99,-2.8) S2(9.99,-2.8)
  silkscreen extent -11.46,-6.4 11.46,0.27, body extent -11.46,-6.49 11.46,0.05, height 2.54
CONN/ETHERNET/HR911130A [mil]
  rect 60x60 hole 35.83: 1(0,0)
  round 60 hole 35.83: 2(-50,100) 3(-100,0) 4(-150,100) 5(-200,0) 6(-250,100) 7(-300,0) 8(-350,100) 9(-400,0) 10(-450,100)
  round 66.93 hole 43.31: 11(35,543) 12(-65,543) 13(-385,543) 14(-485,543)
  round 85 hole 65: S(-544.63,230.14) S(85.37,230.14)
  round 127.95 hole 127.95 unplated: ""(-450,350) ""(0,350)
  body extent -537,-62 88,780, height 531
CONN/HEADER/2.54mm/2POS [mm]
  rect 2x2 hole 1: 1(0,0)
  round 2 hole 1: 2(-2.54,0)
  body extent -3.94,-1.27 1.27,1.27, height 8.38
CONN/HEADER/2.54mm/5POS/MOLEX/22122054 [mm]
  rect 1.7x2.4 hole 1: 1(0,0)
  oval 1.7x2.4 hole 1: 2(-2.54,0) 3(-5.08,0) 4(-7.62,0) 5(-10.16,0)
  silkscreen extent -11.3,-5.97 1.27,-2.29, body extent -11.35,-12.61 1.19,0.32, height 6.43
CRYSTAL/SMD/ABS25 [mm]
  rect 1.3x1.9 smd: 1(0,0) 2(5.8,0) 3(5.8,3.2) 4(0,3.2)
  body extent -1.14,-0.36 6.86,3.44, height 2.43
DFN10_3x3MC_MCH-M [mm]
  rect 0.8x0.28 smd paste+0 mask+0: 1(-1.445,1)
  rrect50% 0.8x0.28 smd paste+0 mask+0: 2(-1.445,0.5) 3(-1.445,0) 4(-1.445,-0.5) 5(-1.445,-1) 6(1.445,-1) 7(1.445,-0.5) 8(1.445,0) 9(1.445,0.5) 10(1.445,1)
  rrect10% 1.7x2.4 smd paste+0 mask+0: 11(0,0)
  silkscreen extent -2.29,-1.63 1.63,1.65, body extent -1.5,-1.5 1.5,1.5
FIDUCIAL [mm] "Fiducial marker"
  round 1 smd paste+0 mask+0.5: F(0,0)
HE/2.54/10 [mm]
  rect 1.8x1.9 hole 1: 1(0,0)
  round 1.8 hole 1: 2(0,2.54) 3(2.54,0) 4(2.54,2.54) 5(5.08,0) 6(5.08,2.54) 7(7.62,0) 8(7.62,2.54) 9(10.16,0) 10(10.16,2.54)
  silkscreen extent -2.5,-1.1 -1.3,1, body extent -1.27,-1.27 11.43,3.81, height 8.3
HW/HOLE/M2.5 [mm]
  round 5.5 / inner round 4 / far side round 4 hole 2.6: 1(0,0)
IND_IHLP-3232DZ_VIS [mil]
  rect 95x210 smd paste-47.5 mask+0: 1(-142.5,0) 2(142.5,0)
  silkscreen extent -246,-168 168,168, body extent -162,-162 162,162, height 158
JUMPER/SB [mm]
  oval 0.5x0.95 smd mask+0.102: 1(-0.406,0) 2(0.406,0)
  Top Layer region: -0.15,0.6 -0.41,0.541 -0.619,0.374 -0.735,0.134 -0.735,-0.134 -0.619,-0.374 -0.41,-0.541 -0.15,-0.6 -0.15,-0.6
  Top Layer region: 0.15,-0.6 0.41,-0.541 0.619,-0.374 0.735,-0.134 0.735,0.134 0.619,0.374 0.41,0.541 0.15,0.6 0.15,0.6
MSOP8 [mm]
  rect 0.4x1.6 smd: 1(0,0) 2(0.65,0) 3(1.3,0) 4(1.95,0) 5(1.95,4.2) 6(1.3,4.2) 7(0.65,4.2) 8(0,4.2)
  body extent -0.53,-0.34 2.47,4.56, height 1.15
MSOP10 [mm] "TSSOP, 10-Leads, Body 3.00x3.00mm, Pitch 0.50mm, Thermal Pad 1.68.2x1.68.2mm, IPC Medium Density"
  rect 1.45x0.3 smd: 1(-2.3,1)
  oval 1.45x0.3 smd: 2(-2.3,0.5) 3(-2.3,0) 4(-2.3,-0.5) 5(-2.3,-1) 6(2.3,-1) 7(2.3,-0.5) 8(2.3,0) 9(2.3,0.5) 10(2.3,1)
  silkscreen extent -2.43,-1.5 1.18,1.82, body extent -2.45,-1.5 2.45,1.5, height 1.15
QFN36_6X6_MCH [mm]
  rect 1.062x0.255 smd paste+0 mask+0: 1(-2.817,2) 2(-2.817,1.5) 3(-2.817,1) 4(-2.817,0.5) 5(-2.817,0) 6(-2.817,-0.5) 7(-2.817,-1) 8(-2.817,-1.5) 9(-2.817,-2) 19(2.817,-2) 20(2.817,-1.5) 21(2.817,-1) 22(2.817,-0.5) 23(2.817,0) 24(2.817,0.5) 25(2.817,1) 26(2.817,1.5) 27(2.817,2)
  rect 0.255x1.062 smd paste+0 mask+0: 10(-2,-2.817) 11(-1.5,-2.817) 12(-1,-2.817) 13(-0.5,-2.817) 14(0,-2.817) 15(0.5,-2.817) 16(1,-2.817) 17(1.5,-2.817) 18(2,-2.817) 28(2,2.817) 29(1.5,2.817) 30(1,2.817) 31(0.5,2.817) 32(0,2.817) 33(-0.5,2.817) 34(-1,2.817) 35(-1.5,2.817) 36(-2,2.817)
  rect 3.81x3.81 smd paste-1.892 mask+0: 37(0,0)
  silkscreen extent -3.18,-3.86 3.86,3.86, body extent -3.05,-3.05 3.05,3.05, height 0.99
QFN40P300X300X50_HS-21N [mm] "QFN, 20-Leads, Body 3.00x3.00mm, Pitch 0.40mm, Thermal Pad 1.68x1.68mm, IPC Medium Density"
  rect 0.8x0.2 smd: 1(-1.45,0.8)
  rrect50% 0.8x0.2 smd: 2(-1.45,0.4) 3(-1.45,0) 4(-1.45,-0.4) 5(-1.45,-0.8) 11(1.45,-0.8) 12(1.45,-0.4) 13(1.45,0) 14(1.45,0.4) 15(1.45,0.8)
  rrect50% 0.2x0.8 smd: 6(-0.8,-1.45) 7(-0.4,-1.45) 8(0,-1.45) 9(0.4,-1.45) 10(0.8,-1.45) 16(0.8,1.45) 17(0.4,1.45) 18(0,1.45) 19(-0.4,1.45) 20(-0.8,1.45)
  rect 1.68x1.68 smd: 21(0,0)
  silkscreen extent -2.47,-1.7 1.7,1.7, body extent -1.52,-1.52 1.5,1.5, height 0.75
QFN50P260X260X100-25N [mil]
  rect 32x12 smd: 1(-77,49) 2(-77,30) 3(-77,10) 4(-77,-10) 5(-77,-30) 6(-77,-49) 13(77,-49) 14(77,-30) 15(77,-10) 16(77,10) 17(77,30) 18(77,49)
  rect 12x32 smd: 7(-49,-77) 8(-30,-77) 9(-10,-77) 10(10,-77) 11(30,-77) 12(49,-77) 19(49,77) 20(30,77) 21(10,77) 22(-10,77) 23(-30,77) 24(-49,77)
  rect 96x96 smd: 25(0,0)
  silkscreen extent -81,-81 81,81, body extent -79,-79 79,79, height 39
QFN50P500X500X90-33N-V [mm]
  rect 0.7x0.25 smd: 1(-2.4,1.75) 2(-2.4,1.25) 3(-2.4,0.75) 4(-2.4,0.25) 5(-2.4,-0.25) 6(-2.4,-0.75) 7(-2.4,-1.25) 8(-2.4,-1.75) 17(2.4,-1.75) 18(2.4,-1.25) 19(2.4,-0.75) 20(2.4,-0.25) 21(2.4,0.25) 22(2.4,0.75) 23(2.4,1.25) 24(2.4,1.75)
  rect 0.25x0.7 smd: 9(-1.75,-2.4) 10(-1.25,-2.4) 11(-0.75,-2.4) 12(-0.25,-2.4) 13(0.25,-2.4) 14(0.75,-2.4) 15(1.25,-2.4) 16(1.75,-2.4) 25(1.75,2.4) 26(1.25,2.4) 27(0.75,2.4) 28(0.25,2.4) 29(-0.25,2.4) 30(-0.75,2.4) 31(-1.25,2.4) 32(-1.75,2.4)
  rect 3.6x3.6 smd: 33(0,0)
  silkscreen extent -3.62,-2.5 2.5,2.5, body extent -2.5,-2.5 2.5,2.5, height 1
QWIIC-SM04B-SRSS-TB [mm]
  rect 0.6x1.55 smd: 1(-1.5,0) 2(-0.5,0) 3(0.5,0) 4(1.5,0)
  rect 1.2x1.8 smd: S1(-2.8,-3.875) S2(2.8,-3.875)
  silkscreen extent -3,-4.57 3,0.49, body extent -3,-4.66 3,0.29, height 2.94
RT7299B [mm]
  rect 0.25x0.9 smd: 1(-0.75,1.65)
  oval 0.9x0.25 smd: 2(-1.65,1) 3(-1.65,0.5) 4(-1.65,0) 5(-1.65,-0.5) 6(-1.65,-1) 9(1.65,-1) 10(1.65,-0.5) 11(1.65,0) 12(1.65,0.5) 13(1.65,1)
  oval 0.25x0.9 smd: 7(-0.75,-1.65) 8(0.75,-1.65) 14(0.75,1.65)
  rrect50% 0.7x1.4 smd: 15(0,-1.65) 15(0,1.65)
  rect 1.9x1.9 smd: 15(0,0)
  silkscreen extent -1.72,2.18 -1.47,2.42, body extent -1.75,-1.75 1.75,1.75, height 0.82
SC70-6 [mm] "SOT363, 6-Leads, Body 2x1.3mm, Pitch 0.65mm, Lead Span 2.1mm, IPC Low Density"
  rect 1.05x0.45 smd: 1(-1.15,0.65) 2(-1.15,0) 3(-1.15,-0.65) 4(1.15,-0.65) 5(1.15,0) 6(1.15,0.65)
  silkscreen extent -1.49,-1.1 0.2,1.41, body extent -1.15,-1.13 1.1,1.12, height 1.1
SDCARD-MOLEX_503182-1852 [mm]
  rect 0.8x1.24 smd: 1(-2.9,6.355) 2(-1.8,6.355) 3(-0.7,6.355) 4(0.4,6.355) 5(1.5,6.355) 6(2.6,6.355) 7(3.7,6.355) 8(4.8,6.355)
  rect 1.16x1.2 smd: DT(6.74,-5.275)
  rect 0.95x2.5 smd: P1(-7.245,5.725)
  rect 1.15x2.2 smd: P2(7.145,5.875) P3(-7.145,-5.605)
  rect 1.5x1.15 smd: P4(-2.84,-6.4) P5(4.94,-6.4)
  rect 1.16x1.25 smd: SW(6.74,3.725)
  silkscreen extent -7.07,-6.73 7.07,8.99, body extent -7.45,-6.71 7.49,8.24, height 1.36
SM/C0603 [mm] "Chip Capacitor, Body 1.6x0.8mm, IPC Low Density"
  rect 0.6x0.8 smd: 1(-0.787,0) 2(0.737,0)
  body extent -0.83,-0.4 0.77,0.4, height 0.6
SM/C0805 [mm] "Chip Resistor, Body 2.0x1.3mm, IPC Low Density"
  rect 0.9x1.2 smd: 1(-1.016,0) 2(1.016,0)
  body extent -1,-0.59 1,0.61, height 1.2
SM/C1210 [mm] "Chip Resistor, Body 3.2x1.6mm, IPC Low Density"
  rect 1.5x2.5 smd: 1(-1.55,0) 2(1.55,0)
  silkscreen extent -0.4,-0.85 0.4,0.85, body extent -1.65,-1.24 1.55,1.26, height 2.5
SM/L0603 [mm] "Chip Capacitor, Body 1.6x0.8mm, IPC Low Density"
  rect 0.8x0.8 smd: 1(-0.8,0) 2(0.8,0)
  body extent -0.77,-0.39 0.83,0.41, height 0.45
SM/LED0603 [mm] "Chip Capacitor, Body 1.6x0.8mm, IPC Low Density"
  rect 0.8x0.8 smd: 1(-0.8,0) 2(0.8,0)
  body extent -0.78,-0.4 0.84,0.4, height 0.73
SM/R0603 [mm] "Chip Resistor, Body 1.6x0.8mm, IPC Low Density"
  rect 0.6x0.8 smd: 1(-0.762,0) 2(0.762,0)
  body extent -0.8,-0.4 0.8,0.4, height 0.4
SM/R0805 [mm] "Chip Resistor, Body 2.0x1.3mm, IPC Low Density"
  rect 0.9x1.2 smd: 1(-1.016,0) 2(1.016,0)
  body extent -1,-0.62 1,0.63, height 0.21
SM/R1206 [mm] "Chip Resistor, Body 3.2x1.6mm, IPC Low Density"
  rect 1.3x1.6 smd: 1(-1.651,0) 2(1.651,0)
  body extent -1.6,-0.8 1.6,0.8, height 0.55
SOIC8 [mm] "8-Pin Small Outline Integrated Circuit 1.27 mm Pitch, IPC Low Density"
  rect 2x0.7 smd: 1(2.749,-1.905)
  oval 2x0.7 smd: 2(2.749,-0.635) 3(2.749,0.635) 4(2.749,1.905) 5(-2.749,1.905) 6(-2.749,0.635) 7(-2.749,-0.635) 8(-2.749,-1.905)
  silkscreen extent -1.32,-2.93 2.28,2.5, body extent -2.97,-2.5 3.05,2.5, height 1.75
SOIC18/MCP2515 [mm] "SOIC, 18-Leads, Body 9.4 Pitch 1.27mm, IPC Low Density"
  rect 2.6x0.7 smd: 1(-4.6,5.715)
  oval 2.6x0.7 smd: 2(-4.6,4.445) 3(-4.6,3.175) 4(-4.6,1.905) 5(-4.6,0.635) 6(-4.6,-0.635) 7(-4.6,-1.905) 8(-4.6,-3.175) 9(-4.6,-4.445) 10(4.6,-4.445) 11(4.6,-3.175) 12(4.6,-1.905) 13(4.6,-0.635) 14(4.6,0.635) 15(4.6,1.905) 16(4.6,3.175) 17(4.6,4.445) 18(4.6,5.715)
  silkscreen extent -4.72,-5.33 2.9,6.74, body extent -5.22,-5.11 5.32,6.39, height 2.48
SOT23-5 [mm] "SOT23, 5-Leads, Body 3.0x2.6mm (max), Pitch 0.95mm, IPC Low Density"
  rect 1.3x0.65 smd: 1(-1,0.95) 2(-1,0) 3(-1,-0.95) 4(1,-0.95) 5(1,0.95)
  silkscreen extent -1.12,-1.5 0.05,1.95, body extent -1.52,-1.5 1.48,1.5, height 1.45
SOT23-6 [mm] "SOT23, 6-Leads, Body 3.1x3.2mm (max), Pitch 0.95mm, IPC Medium Density"
  rect 1.15x0.55 smd: 1(-1.175,0.95) 2(-1.175,0) 3(-1.175,-0.95) 4(1.175,-0.95) 5(1.175,0) 6(1.175,0.95)
  silkscreen extent -1.3,-1.55 0.2,1.9, body extent -1.5,-1.5 1.5,1.5, height 1.3
SOT1165-1 [mm]
  rect 0.525x0.25 smd paste-0.152 mask+0: 1(-0.33,1) 2(-0.33,0.5) 4(-0.33,-0.5) 5(-0.33,-1) 6(0.33,-1) 7(0.33,-0.5) 9(0.33,0.5) 10(0.33,1)
  rect 0.525x0.4 smd paste+0 mask+0: 3(-0.33,0) 8(0.33,0)
  silkscreen extent -1.24,0.87 -0.99,1.13, body extent -0.5,-1.25 0.5,1.25, height 0.45
SSOP28 [mm]
  rect 2.25x0.45 smd: 1(-3.575,4.225)
  oval 2.25x0.45 smd: 2(-3.575,3.575) 3(-3.575,2.925) 4(-3.575,2.275) 5(-3.575,1.625) 6(-3.575,0.975) 7(-3.575,0.325) 8(-3.575,-0.325) 9(-3.575,-0.975) 10(-3.575,-1.625) 11(-3.575,-2.275) 12(-3.575,-2.925) 13(-3.575,-3.575) 14(-3.575,-4.225) 15(3.575,-4.225) 16(3.575,-3.575) 17(3.575,-2.925) 18(3.575,-2.275) 19(3.575,-1.625) 20(3.575,-0.975) 21(3.575,-0.325) 22(3.575,0.325) 23(3.575,0.975) 24(3.575,1.625) 25(3.575,2.275) 26(3.575,2.925) 27(3.575,3.575) 28(3.575,4.225)
  silkscreen extent -3.7,-5.1 2.05,5.12, body extent -4.09,-5.24 4.14,5.26, height 1.92
TE/5787617-4 [mm] "USB DUAL"
  round 1.5 hole 1: 1A(-10.07,2.71) 1B(-10.07,5.21) 2A(-7.57,2.71) 2B(-7.57,5.33) 3A(-5.57,2.71) 3B(-5.57,5.33) 4A(-3.07,2.71) 4B(-3.07,5.33)
  oval 5x4 hole 2.3: S(-13.14,0) S(0,0)
  oval 3.5x4 hole 2.3: S(-13.14,5.68) S(0,5.68)
  body extent -14.71,-10.29 1.53,6.89, height 16.17
TE/MICROMATCH/7-2178711-4 [mm]
  rect 1.5x3 smd: 1(-6.35,2.54)
  oval 1.5x3 smd: 2(-5.08,-2.54) 3(-3.81,2.54) 4(-2.54,-2.54)
  body extent -7.89,-3.5 -0.89,3.5, height 5.25
TE_1-2199230-5 [mm]
  rect 0.3x1.55 smd: 1(-9.25,5.275) 2(-9,-2.275) 3(-8.75,5.275) 4(-8.5,-2.275) 5(-8.25,5.275) 6(-8,-2.275) 7(-7.75,5.275) 8(-7.5,-2.275) 9(-7.25,5.275) 10(-7,-2.275) 11(-6.75,5.275) 12(-6.5,-2.275) 13(-6.25,5.275) 14(-6,-2.275) 15(-5.75,5.275) 16(-5.5,-2.275) 17(-5.25,5.275) 18(-5,-2.275) 19(-4.75,5.275) 20(-4.5,-2.275) 21(-4.25,5.275) 22(-4,-2.275) 23(-3.75,5.275) 24(-3.5,-2.275) 25(-3.25,5.275) 26(-3,-2.275) 27(-2.75,5.275) 28(-2.5,-2.275) 29(-2.25,5.275) 30(-2,-2.275) 31(-1.75,5.275) 32(-1.5,-2.275) 33(-1.25,5.275) 34(-1,-2.275) 35(-0.75,5.275) 36(-0.5,-2.275) 37(-0.25,5.275) 38(0,-2.275) 39(0.25,5.275) 40(0.5,-2.275) 41(0.75,5.275) 42(1,-2.275) 43(1.25,5.275) 44(1.5,-2.275) 45(1.75,5.275) 46(2,-2.275) 47(2.25,5.275) 48(2.5,-2.275) 49(2.75,5.275) 50(3,-2.275) 51(3.25,5.275) 52(3.5,-2.275) 53(3.75,5.275) 54(4,-2.275) 55(4.25,5.275) 56(4.5,-2.275) 57(4.75,5.275) 58(5,-2.275) 67(7.25,5.275) 68(7.5,-2.275) 69(7.75,5.275) 70(8,-2.275) 71(8.25,5.275) 72(8.5,-2.275) 73(8.75,5.275) 74(9,-2.275) 75(9.25,5.275)
  round 5 hole 3: HOLE2(0,-28.25) HOLE2(0,-40.25)
  rect 1.2x2.75 smd: S1(-10.35,4.5) S2(10.35,4.5)
  round 1.15 hole 1.15 unplated: ""(-10,0)
  round 1.65 hole 1.65 unplated: ""(10,0)
  silkscreen extent -10.95,-2.5 10.95,6.7, body extent -10.95,-42.42 10.95,5.87, height 4.09
TP/SMALL [mm]
  round 1.2 hole 0.6: 1(0,0)
  silkscreen extent -1.1,-1.1 1.1,1.1
XTAL-ECS-160-20-3X-TR [mm] "CRYSTAL"
  rect 3.5x1.2 smd: 1(-2.75,0) 2(2.75,0)
  silkscreen extent -3.5,-2.05 3.5,2.05, body extent -3.8,-2.05 3.8,2.05, height 2.3